# Altium PCB ctrl_boardV1.2.PcbDoc (part 2 of 3)
Units mm, origin at the board's own origin, x right, y up, seen from the top; angles counter-clockwise.
Board outline 212 x 85 mm, 2 copper layers (Top Layer, Bottom Layer); 255 components, 141 nets, 739 pads, 2246 vias.
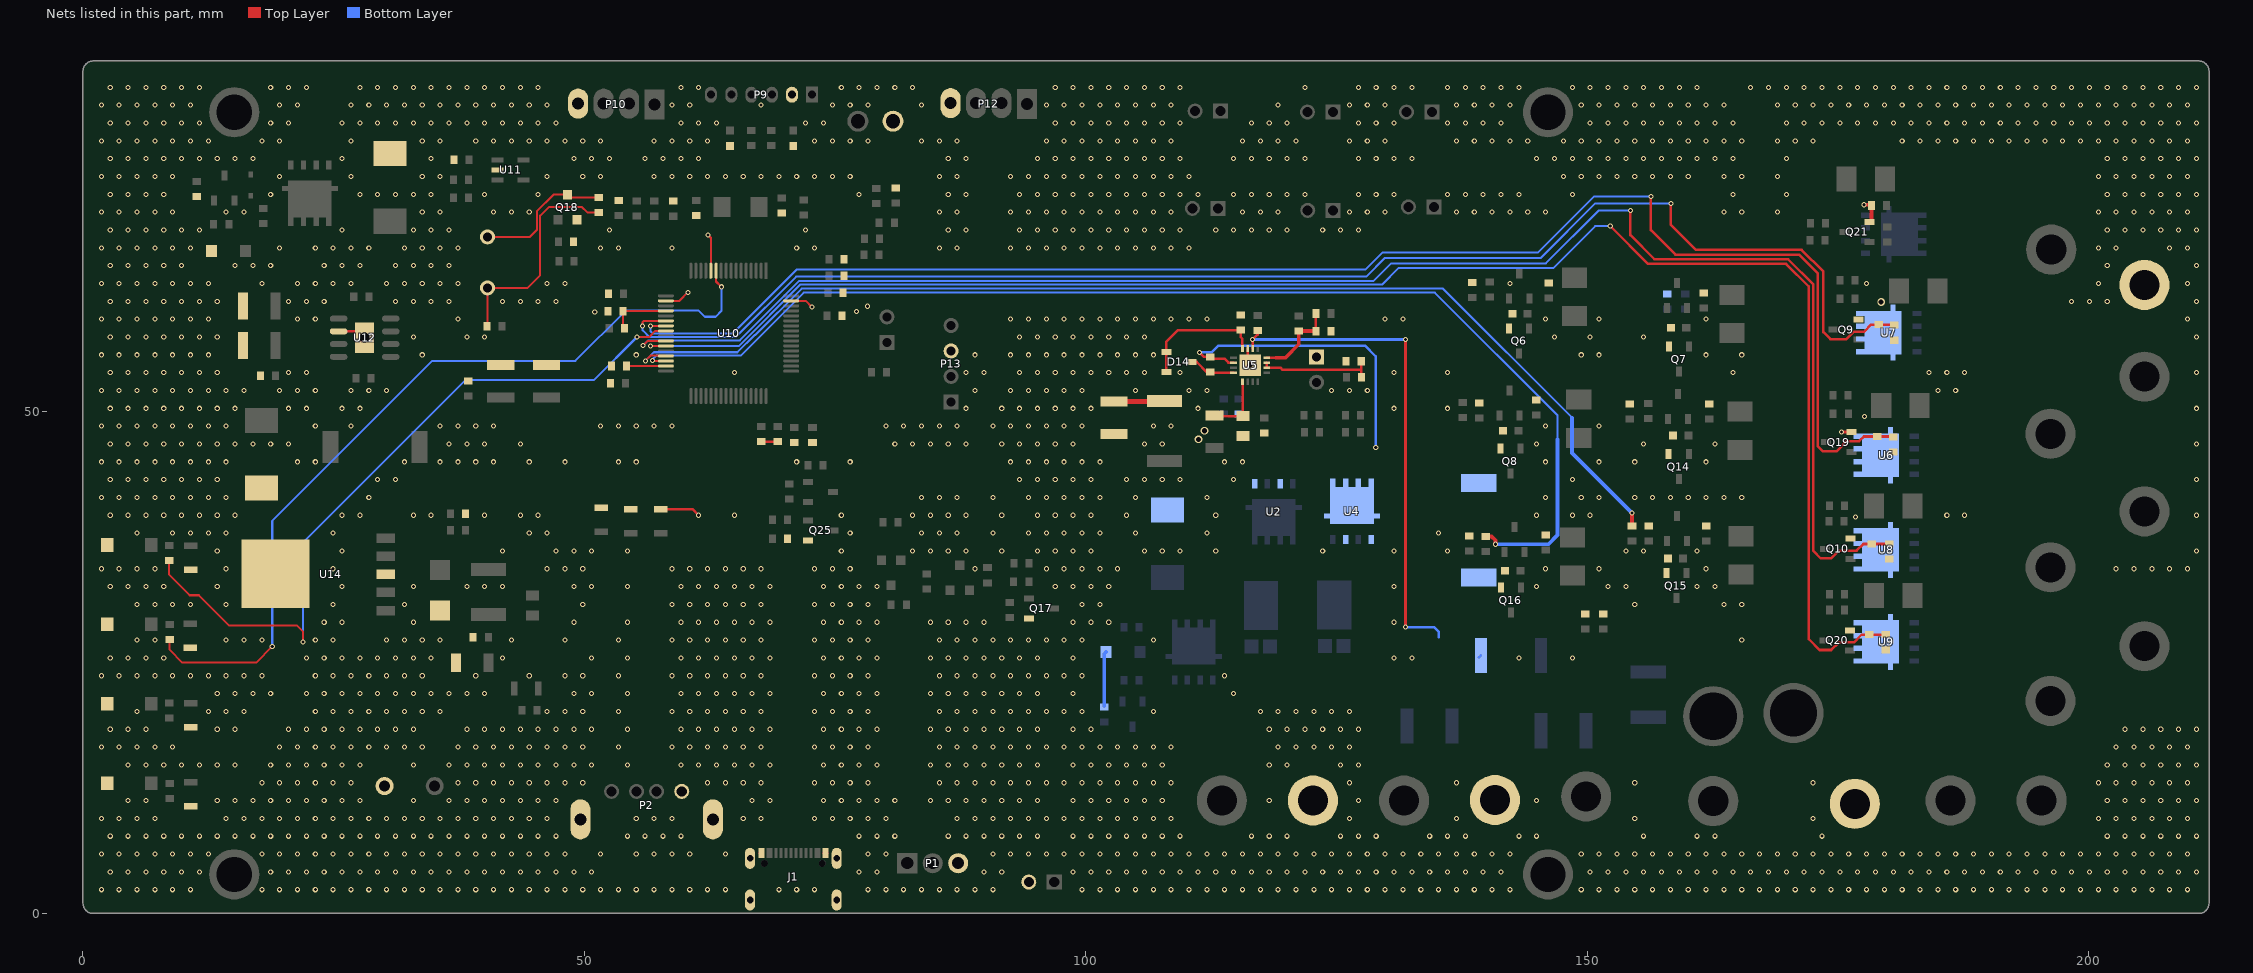
[diagram p2: the nets of this part, all layers, seen from the top]

## Via types
v1: diameter 0.508, hole 0.305, Top Layer to Bottom Layer, tented both sides, 2167 vias
v2: diameter 0.762, hole 0.508, Top Layer to Bottom Layer, tented both sides, 67 vias
v3: diameter 1.016, hole 0.635, Top Layer to Bottom Layer, tented both sides, 3 vias
v4: diameter 1.016, hole 0.762, Top Layer to Bottom Layer, tented both sides, 2 vias
v5: diameter 1.397, hole 1.016, Top Layer to Bottom Layer, tented both sides, 2 vias
v6: diameter 1.143, hole 0.762, Top Layer to Bottom Layer, tented both sides, 2 vias
v7: diameter 1.5, hole 1, Top Layer to Bottom Layer, 1 vias
v8: diameter 1.524, hole 1.016, Top Layer to Bottom Layer, tented both sides, 1 vias
v9: diameter 1.27, hole 0.762, Top Layer to Bottom Layer, tented both sides, 1 vias

## Nets (pads, with @x,y where several pads share a name; then routed paths per layer and width w, separated by ;. In a path a pad name is that pad's centre, name@x,y a point inside that pad or via, vN(x,y) a via of type N, cw(c..) or ccw(c..) an arc to the next point about the centre after c; other vN are vias at no path point) (continued)
cool3: R19.2 U10.29 | length 116.3
  Top Layer w0.203: v1(56.109,55.093) 56.109,55.14 56.595,55.626 58.081,55.626 U10.29@58.123,55.584
  Top Layer w0.381: R19.2@154.461,38.639 v1(154.461,39.933)
  Bottom Layer w0.203: v1(56.109,55.093) 56.109,55.14 56.925,55.956 65.253,55.956 66.974,57.678 67.023,57.678 71.652,62.306 135.618,62.306 148.492,49.432
  Bottom Layer w0.381: 148.492,49.432 148.492,45.902 v1(154.461,39.933)
cool4: R20.2 U10.30 | length 119.6
  Top Layer w0.203: v1(56.794,55.143) 56.854,55.084 U10.30@58.123,55.084
  Top Layer w0.381: R20.2@139.882,37.597 140.464,37.597 140.847,37.215 v1(140.847,36.808)
  Bottom Layer w0.203: v1(56.794,55.143) 56.794,55.226 56.89,55.322 56.89,55.347 57.169,55.626 65.584,55.626 71.858,61.9 134.798,61.9 147.044,49.653 147.044,47.242
  Bottom Layer w0.381: v1(140.847,36.808) 146.13,36.808 147.044,37.723 147.044,47.242
dec: R61.2 U10.24 | length 73
  Top Layer w0.203: R61.2@8.582,35.185 8.582,33.778 10.636,31.725 11.557,31.725 14.554,28.727 21.32,28.727 21.92,28.127 v1(21.92,27.051) ; v1(55.245,57.478) 56.47,57.478 57.076,58.084 U10.24@58.123,58.084
  Bottom Layer w0.203: v1(21.92,27.051) 21.92,36.957 38.171,53.207 50.974,53.207 v1(55.245,57.478)
GND: 12V-.1 C1.1 C2.1 C3.1 C4.2 C5.2 C6.1 C7.2 C8.1 C10.1 C13.1 C14.1 C15.1 C16.1 C17.1 C18.1 C19.1 C20.1 C21.1 C22.1 C23.1 C24.1 C26.1 C27.2 C28.2 C29.2 C30.2 C31.2 C32.1 C33.1 C34.2 D15.1 D16.1 D17.1 D18.1 D19.1 D20.1 D21.1 D22.1 D23.1 D24.1 D25.1 D26.1 D27.1 GND.1 J1.1 J1.A1 J1.A12 J1.B1 J1.B12 NTC.1 P1.3 P2.4 P2.5 P2.6 P4.2 P9.2 P10.4 P12.4 P13.3 P16.1 Q6.2 Q7.2 Q8.2 Q9.2 Q10.2 Q14.2 Q15.2 Q16.2 Q17.2 Q18.2 Q19.2 Q20.2 Q21.2 Q25.2 R8.1 R9.1 R10.1 R11.2 R12.2 R13.2 R16.2 R17.2 R21.1 R22.1 R23.1 R24.2 R25.2 R26.2 R33.2 R34.2 R38.2 R54.2 R59.2 R66.2 R72.2 R74.2 R76.2 R79.2 R83.2 R85.1 R89.2 R92.1 SW1.1 SW2.1 SW3.1 SW4.1 T8.1 T10.1 TVS1.1 TVS2.1 TVS3.1 TVS4.1 TVS5.1 TVS6.1 TVS7.1 TVS8.1 U4.1 U4.3 U5.11 U5.17 U6.5 U6.6 U6.7 U6.8 U7.5 U7.6 U7.7 U7.8 U8.5 U8.6 U8.7 U8.8 U9.5 U9.6 U9.7 U9.8 U10.12 U10.18 U10.63 U11.2 U12.6 U12.9 U14.3 U14.6 | length 27.5
  Top Layer w0.203: U10.18@58.123,61.084 59.484,61.084 v1(60.325,61.925) ; v1(62.332,67.64) 62.623,67.349 U10.12@62.623,64.084 ; U10.63@70.623,61.084 72.063,61.084 v1(72.695,60.452)
  Top Layer w0.254: U12.6@25.492,58.039 U12.9@27.457,58.039 ; D18.1@57.633,40.31 60.782,40.31 v1(61.392,39.7) ; J1.B12@67.491,6.02 J1.A1@67.791,6.02 ; C14.1@67.615,47.041 69.24,47.041 C19.1@69.266,47.066 ; J1.B1@73.891,6.02 J1.A12@74.191,6.02 ; U5.11@116.137,56.322 116.137,54.915 v2(116.387,54.665) ; v1(175.362,48.003) Q19.2@176.331,48.003
  Top Layer w0.381: v1(177.601,70.667) 178.26,70.667 R38.2@178.336,70.59 178.336,69.068 178.226,68.958 Q21.2@178.159,68.958
  Bottom Layer w0.381: R66.2@101.832,20.679 101.832,25.886 D17.1@102.01,26.064
  other v1: 1.829,2.362 3.607,2.362 5.385,2.362 7.163,2.362 8.941,2.362 10.719,2.362 17.831,2.362 19.609,2.362 21.387,2.362 23.165,2.362 24.943,2.362 26.721,2.362 28.499,2.362 30.277,2.362 32.055,2.362 33.833,2.362 35.611,2.362 37.389,2.362 39.167,2.362 40.945,2.362 42.723,2.362 44.501,2.362 46.279,2.362 48.057,2.362 49.835,2.362 51.613,2.362 53.391,2.362 55.169,2.362 56.947,2.362 58.725,2.362 60.503,2.362 62.281,2.362 64.059,2.362 69.393,2.362 71.171,2.362 72.949,2.362 78.283,2.362 80.061,2.362 81.839,2.362 83.617,2.362 85.395,2.362 87.173,2.362 88.951,2.362 90.729,2.362 99.619,2.362 101.397,2.362 103.175,2.362 104.953,2.362 106.731,2.362 108.509,2.362 110.287,2.362 112.065,2.362 113.843,2.362 115.621,2.362 117.399,2.362 119.177,2.362 120.955,2.362 122.733,2.362 124.511,2.362 126.289,2.362 128.067,2.362 129.845,2.362 131.623,2.362 133.401,2.362 135.179,2.362 136.957,2.362 138.735,2.362 140.513,2.362 142.291,2.362 149.403,2.362 151.181,2.362 152.959,2.362 154.737,2.362 156.515,2.362 158.293,2.362 160.071,2.362 161.849,2.362 163.627,2.362 165.405,2.362 167.183,2.362 168.961,2.362 170.739,2.362 172.517,2.362 174.295,2.362 176.073,2.362 177.851,2.362 179.629,2.362 181.407,2.362 183.185,2.362 184.963,2.362 186.741,2.362 188.519,2.362 190.297,2.362 192.075,2.362 193.853,2.362 195.631,2.362 197.409,2.362 199.187,2.362 200.965,2.362 202.743,2.362 204.521,2.362 206.299,2.362 208.077,2.362 209.855,2.362 2.718,4.14 4.496,4.14 6.274,4.14 8.052,4.14 9.83,4.14 11.608,4.14 18.72,4.14 20.498,4.14 22.276,4.14 24.054,4.14 25.832,4.14 27.61,4.14 29.388,4.14 31.166,4.14 32.944,4.14 34.722,4.14 36.5,4.14 38.278,4.14 40.056,4.14 41.834,4.14 43.612,4.14 45.39,4.14 47.168,4.14 48.946,4.14 50.724,4.14 77.394,4.14 79.172,4.14 89.84,4.14 91.618,4.14 98.73,4.14 100.508,4.14 102.286,4.14 104.064,4.14 105.842,4.14 107.62,4.14 109.398,4.14 111.176,4.14 112.954,4.14 114.732,4.14 116.51,4.14 118.288,4.14 120.066,4.14 121.844,4.14 123.622,4.14 125.4,4.14 127.178,4.14 128.956,4.14 130.734,4.14 132.512,4.14 134.29,4.14 136.068,4.14 137.846,4.14 139.624,4.14 141.402,4.14 150.292,4.14 152.07,4.14 153.848,4.14 155.626,4.14 157.404,4.14 159.182,4.14 160.96,4.14 162.738,4.14 164.516,4.14 166.294,4.14 168.072,4.14 169.85,4.14 171.628,4.14 173.406,4.14 175.184,4.14 176.962,4.14 178.74,4.14 180.518,4.14 182.296,4.14 184.074,4.14 185.852,4.14 187.63,4.14 189.408,4.14 191.186,4.14 192.964,4.14 194.742,4.14 196.52,4.14 198.298,4.14 200.076,4.14 201.854,4.14 203.632,4.14 205.41,4.14 207.188,4.14 208.966,4.14 210.744,4.14 1.829,5.918 3.607,5.918 5.385,5.918 7.163,5.918 8.941,5.918 10.719,5.918 12.497,5.918 17.831,5.918 19.609,5.918 21.387,5.918 23.165,5.918 24.943,5.918 26.721,5.918 28.499,5.918 30.277,5.918 32.055,5.918 33.833,5.918 35.611,5.918 37.389,5.918 39.167,5.918 40.945,5.918 42.723,5.918 44.501,5.918 46.279,5.918 48.057,5.918 51.613,5.918 55.169,5.918 56.947,5.918 58.725,5.918 60.503,5.918 64.059,5.918 78.283,5.918 80.061,5.918 90.729,5.918 92.507,5.918 94.285,5.918 96.063,5.918 97.841,5.918 99.619,5.918 101.397,5.918 103.175,5.918 104.953,5.918 106.731,5.918 108.509,5.918 110.287,5.918 112.065,5.918 113.843,5.918 115.621,5.918 117.399,5.918 119.177,5.918 120.955,5.918 122.733,5.918 124.511,5.918 126.289,5.918 128.067,5.918 129.845,5.918 131.623,5.918 133.401,5.918 135.179,5.918 136.957,5.918 138.735,5.918 140.513,5.918 142.291,5.918 149.403,5.918 151.181,5.918 152.959,5.918 154.737,5.918 156.515,5.918 158.293,5.918 160.071,5.918 161.849,5.918 163.627,5.918 165.405,5.918 167.183,5.918 168.961,5.918 170.739,5.918 172.517,5.918 174.295,5.918 176.073,5.918 177.851,5.918 179.629,5.918 181.407,5.918 183.185,5.918 184.963,5.918 186.741,5.918 188.519,5.918 190.297,5.918 192.075,5.918 193.853,5.918 195.631,5.918 197.409,5.918 199.187,5.918 200.965,5.918 202.743,5.918 204.521,5.918 206.299,5.918 208.077,5.918 209.855,5.918 2.718,7.696 4.496,7.696 6.274,7.696 8.052,7.696 9.83,7.696 11.608,7.696 13.386,7.696 15.164,7.696 16.942,7.696 18.72,7.696 20.498,7.696 22.276,7.696 24.054,7.696 25.832,7.696 27.61,7.696 29.388,7.696 31.166,7.696 32.944,7.696 34.722,7.696 36.5,7.696 38.278,7.696 40.056,7.696 41.834,7.696 43.612,7.696 45.39,7.696 47.168,7.696 54.28,7.696 56.058,7.696 57.836,7.696 59.614,7.696 77.394,7.696 79.172,7.696 80.95,7.696 86.284,7.696 88.062,7.696 89.84,7.696 91.618,7.696 93.396,7.696 95.174,7.696 98.73,7.696 100.508,7.696 102.286,7.696 104.064,7.696 105.842,7.696 107.62,7.696 109.398,7.696 116.51,7.696 118.288,7.696 120.066,7.696 125.4,7.696 127.178,7.696 128.956,7.696 134.29,7.696 136.068,7.696 137.846,7.696 143.18,7.696 144.958,7.696 155.626,7.696 160.96,7.696 162.738,7.696 173.406,7.696 201.854,7.696 203.632,7.696 205.41,7.696 207.188,7.696 208.966,7.696 210.744,7.696 1.829,9.474 3.607,9.474 5.385,9.474 7.163,9.474 14.275,9.474 16.053,9.474 17.831,9.474 19.609,9.474 21.387,9.474 23.165,9.474 24.943,9.474 26.721,9.474 28.499,9.474 30.277,9.474 32.055,9.474 33.833,9.474 35.611,9.474 37.389,9.474 39.167,9.474 40.945,9.474 42.723,9.474 44.501,9.474 46.279,9.474 55.169,9.474 56.947,9.474 58.725,9.474 65.837,9.474 67.615,9.474 72.949,9.474 74.727,9.474 76.505,9.474 78.283,9.474 80.061,9.474 87.173,9.474 88.951,9.474 90.729,9.474 92.507,9.474 94.285,9.474 96.063,9.474 97.841,9.474 99.619,9.474 101.397,9.474 103.175,9.474 104.953,9.474 106.731,9.474 108.509,9.474 126.289,9.474 136.957,9.474 154.737,9.474 172.517,9.474 200.965,9.474 202.743,9.474 204.521,9.474 206.299,9.474 208.077,9.474 209.855,9.474 4.496,11.252 6.274,11.252 13.386,11.252 15.164,11.252 16.942,11.252 18.72,11.252 20.498,11.252 22.276,11.252 24.054,11.252 25.832,11.252 27.61,11.252 32.944,11.252 36.5,11.252 38.278,11.252 40.056,11.252 41.834,11.252 43.612,11.252 45.39,11.252 47.168,11.252 66.726,11.252 68.504,11.252 73.838,11.252 75.616,11.252 77.394,11.252 79.172,11.252 80.95,11.252 84.506,11.252 86.284,11.252 88.062,11.252 89.84,11.252 91.618,11.252 93.396,11.252 95.174,11.252 98.73,11.252 100.508,11.252 102.286,11.252 104.064,11.252 105.842,11.252 107.62,11.252 118.288,11.252 127.178,11.252 144.958,11.252 201.854,11.252 203.632,11.252 205.41,11.252 207.188,11.252 208.966,11.252 210.744,11.252 17.831,13.03 19.609,13.03 21.387,13.03 23.165,13.03 24.943,13.03 26.721,13.03 37.389,13.03 39.167,13.03 40.945,13.03 42.723,13.03 44.501,13.03 46.279,13.03 48.057,13.03 49.835,13.03 62.281,13.03 64.059,13.03 65.837,13.03 67.615,13.03 72.949,13.03 74.727,13.03 76.505,13.03 78.283,13.03 85.395,13.03 87.173,13.03 88.951,13.03 90.729,13.03 92.507,13.03 94.285,13.03 96.063,13.03 97.841,13.03 99.619,13.03 101.397,13.03 103.175,13.03 104.953,13.03 106.731,13.03 108.509,13.03 126.289,13.03 136.957,13.03 154.737,13.03 172.517,13.03 200.965,13.03 202.743,13.03 204.521,13.03 206.299,13.03 208.077,13.03 209.855,13.03 4.496,14.808 6.274,14.808 8.052,14.808 9.83,14.808 11.608,14.808 13.386,14.808 15.164,14.808 18.72,14.808 20.498,14.808 22.276,14.808 24.054,14.808 25.832,14.808 27.61,14.808 32.944,14.808 36.5,14.808 38.278,14.808 40.056,14.808 41.834,14.808 43.612,14.808 45.39,14.808 47.168,14.808 48.946,14.808 50.724,14.808 54.28,14.808 59.614,14.808 61.392,14.808 63.17,14.808 64.948,14.808 66.726,14.808 68.504,14.808 73.838,14.808 75.616,14.808 77.394,14.808 79.172,14.808 84.506,14.808 86.284,14.808 88.062,14.808 89.84,14.808 91.618,14.808 93.396,14.808 95.174,14.808 98.73,14.808 100.508,14.808 102.286,14.808 104.064,14.808 105.842,14.808 107.62,14.808 118.288,14.808 120.066,14.808 125.4,14.808 127.178,14.808 201.854,14.808 203.632,14.808 205.41,14.808 207.188,14.808 208.966,14.808 210.744,14.808 1.829,16.586 3.607,16.586 5.385,16.586 7.163,16.586 8.941,16.586 19.609,16.586 21.387,16.586 23.165,16.586 24.943,16.586 26.721,16.586 28.499,16.586 30.277,16.586 32.055,16.586 33.833,16.586 37.389,16.586 39.167,16.586 40.945,16.586 42.723,16.586 44.501,16.586 46.279,16.586 48.057,16.586 49.835,16.586 53.391,16.586 58.725,16.586 60.503,16.586 62.281,16.586 64.059,16.586 65.837,16.586 67.615,16.586 72.949,16.586 74.727,16.586 76.505,16.586 78.283,16.586 85.395,16.586 87.173,16.586 88.951,16.586 90.729,16.586 92.507,16.586 94.285,16.586 96.063,16.586 97.841,16.586 99.619,16.586 101.397,16.586 103.175,16.586 104.953,16.586 106.731,16.586 108.509,16.586 119.177,16.586 120.955,16.586 122.733,16.586 124.511,16.586 126.289,16.586 202.743,16.586 204.521,16.586 206.299,16.586 208.077,16.586 209.855,16.586 2.718,18.364 4.496,18.364 6.274,18.364 13.386,18.364 15.164,18.364 20.498,18.364 22.276,18.364 24.054,18.364 25.832,18.364 27.61,18.364 29.388,18.364 31.166,18.364 32.944,18.364 38.278,18.364 40.056,18.364 41.834,18.364 43.612,18.364 45.39,18.364 47.168,18.364 48.946,18.364 50.724,18.364 54.28,18.364 59.614,18.364 61.392,18.364 63.17,18.364 64.948,18.364 66.726,18.364 68.504,18.364 73.838,18.364 75.616,18.364 77.394,18.364 79.172,18.364 84.506,18.364 86.284,18.364 88.062,18.364 89.84,18.364 91.618,18.364 93.396,18.364 95.174,18.364 98.73,18.364 100.508,18.364 118.288,18.364 120.066,18.364 121.844,18.364 123.622,18.364 125.4,18.364 127.178,18.364 203.632,18.364 205.41,18.364 207.188,18.364 208.966,18.364 210.744,18.364 5.385,20.142 12.497,20.142 14.275,20.142 16.053,20.142 23.165,20.142 24.943,20.142 26.721,20.142 28.499,20.142 30.277,20.142 32.055,20.142 33.833,20.142 35.611,20.142 46.279,20.142 48.057,20.142 49.835,20.142 53.391,20.142 58.725,20.142 60.503,20.142 62.281,20.142 64.059,20.142 65.837,20.142 67.615,20.142 72.949,20.142 74.727,20.142 76.505,20.142 78.283,20.142 85.395,20.142 87.173,20.142 88.951,20.142 90.729,20.142 92.507,20.142 94.285,20.142 96.063,20.142 97.841,20.142 99.619,20.142 106.731,20.142 117.399,20.142 119.177,20.142 120.955,20.142 122.733,20.142 124.511,20.142 126.289,20.142 13.386,21.92 15.164,21.92 16.942,21.92 18.72,21.92 22.276,21.92 24.054,21.92 25.832,21.92 27.61,21.92 29.388,21.92 31.166,21.92 32.944,21.92 34.722,21.92 36.5,21.92 38.278,21.92 40.056,21.92 48.946,21.92 50.724,21.92 54.28,21.92 59.614,21.92 61.392,21.92 63.17,21.92 64.948,21.92 66.726,21.92 68.504,21.92 73.838,21.92 75.616,21.92 77.394,21.92 79.172,21.92 84.506,21.92 86.284,21.92 88.062,21.92 89.84,21.92 91.618,21.92 93.396,21.92 95.174,21.92 98.73,21.92 114.732,21.92 1.829,23.698 3.607,23.698 5.385,23.698 7.163,23.698 8.941,23.698 10.719,23.698 12.497,23.698 14.275,23.698 16.053,23.698 17.831,23.698 23.165,23.698 24.943,23.698 26.721,23.698 28.499,23.698 30.277,23.698 32.055,23.698 33.833,23.698 39.167,23.698 44.501,23.698 48.057,23.698 49.835,23.698 53.391,23.698 58.725,23.698 60.503,23.698 62.281,23.698 64.059,23.698 65.837,23.698 67.615,23.698 72.949,23.698 74.727,23.698 76.505,23.698 78.283,23.698 85.395,23.698 87.173,23.698 88.951,23.698 90.729,23.698 92.507,23.698 94.285,23.698 96.063,23.698 97.841,23.698 99.619,23.698 113.843,23.698 2.718,25.476 4.496,25.476 6.274,25.476 8.052,25.476 22.276,25.476 24.054,25.476 25.832,25.476 27.61,25.476 29.388,25.476 31.166,25.476 32.944,25.476 34.722,25.476 41.834,25.476 50.724,25.476 54.28,25.476 59.614,25.476 61.392,25.476 63.17,25.476 64.948,25.476 66.726,25.476 68.504,25.476 73.838,25.476 75.616,25.476 77.394,25.476 79.172,25.476 84.506,25.476 86.284,25.476 88.062,25.476 89.84,25.476 91.618,25.476 93.396,25.476 95.174,25.476 98.73,25.476 130.734,25.476 132.512,25.476 143.18,25.476 148.514,25.476 5.385,27.254 7.163,27.254 14.275,27.254 16.053,27.254 17.831,27.254 23.165,27.254 24.943,27.254 30.277,27.254 32.055,27.254 33.833,27.254 35.611,27.254 42.723,27.254 48.057,27.254 53.391,27.254 58.725,27.254 60.503,27.254 62.281,27.254 64.059,27.254 65.837,27.254 67.615,27.254 72.949,27.254 74.727,27.254 76.505,27.254 78.283,27.254 85.395,27.254 87.173,27.254 88.951,27.254 90.729,27.254 92.507,27.254 94.285,27.254 96.063,27.254 97.841,27.254 99.619,27.254 106.731,27.254 165.405,27.254 24.054,29.032 25.832,29.032 32.944,29.032 48.946,29.032 54.28,29.032 59.614,29.032 61.392,29.032 63.17,29.032 64.948,29.032 66.726,29.032 68.504,29.032 73.838,29.032 75.616,29.032 77.394,29.032 79.172,29.032 84.506,29.032 86.284,29.032 88.062,29.032 89.84,29.032 98.73,29.032 100.508,29.032 102.286,29.032 130.734,29.032 5.385,30.81 7.163,30.81 8.941,30.81 10.719,30.81 14.275,30.81 24.943,30.81 32.055,30.81 49.835,30.81 58.725,30.81 60.503,30.81 62.281,30.81 64.059,30.81 65.837,30.81 67.615,30.81 72.949,30.81 74.727,30.81 76.505,30.81 78.283,30.81 99.619,30.81 101.397,30.81 154.737,30.81 163.627,30.81 165.405,30.81 2.718,32.588 4.496,32.588 6.274,32.588 8.052,32.588 13.386,32.588 25.832,32.588 32.944,32.588 38.278,32.588 40.056,32.588 41.834,32.588 48.946,32.588 50.724,32.588 54.28,32.588 59.614,32.588 61.392,32.588 63.17,32.588 64.948,32.588 66.726,32.588 68.504,32.588 73.838,32.588 75.616,32.588 77.394,32.588 79.172,32.588 96.952,32.588 98.73,32.588 100.508,32.588 102.286,32.588 130.734,32.588 144.958,32.588 152.07,32.588 153.848,32.588 160.96,32.588 162.738,32.588 1.829,34.366 3.607,34.366 5.385,34.366 7.163,34.366 14.275,34.366 24.943,34.366 46.279,34.366 48.057,34.366 49.835,34.366 58.725,34.366 60.503,34.366 62.281,34.366 64.059,34.366 65.837,34.366 67.615,34.366 72.949,34.366 74.727,34.366 76.505,34.366 88.951,34.366 96.063,34.366 97.841,34.366 99.619,34.366 101.397,34.366 103.175,34.366 145.847,34.366 151.181,34.366 161.849,34.366 202.743,34.366 204.521,34.366 206.299,34.366 208.077,34.366 209.855,34.366 13.386,36.144 25.832,36.144 41.834,36.144 47.168,36.144 48.946,36.144 50.724,36.144 54.28,36.144 75.616,36.144 82.728,36.144 84.506,36.144 86.284,36.144 88.062,36.144 91.618,36.144 95.174,36.144 96.952,36.144 98.73,36.144 100.508,36.144 105.842,36.144 107.62,36.144 109.398,36.144 112.954,36.144 123.622,36.144 130.734,36.144 136.068,36.144 153.848,36.144 155.626,36.144 160.96,36.144 210.744,36.144 5.385,37.922 8.941,37.922 10.719,37.922 12.497,37.922 14.275,37.922 24.943,37.922 44.501,37.922 46.279,37.922 76.505,37.922 83.617,37.922 85.395,37.922 87.173,37.922 90.729,37.922 94.285,37.922 96.063,37.922 97.841,37.922 99.619,37.922 101.397,37.922 104.953,37.922 112.065,37.922 135.179,37.922 176.729,39.545 2.718,39.7 4.496,39.7 6.274,39.7 8.052,39.7 9.83,39.7 11.608,39.7 13.386,39.7 15.164,39.7 25.832,39.7 27.61,39.7 32.944,39.7 34.722,39.7 40.056,39.7 43.612,39.7 45.39,39.7 64.948,39.7 75.616,39.7 82.728,39.7 84.506,39.7 86.284,39.7 88.062,39.7 91.618,39.7 95.174,39.7 96.952,39.7 98.73,39.7 100.508,39.7 104.064,39.7 112.954,39.7 144.958,39.7 148.514,39.7 150.292,39.7 185.852,39.7 187.63,39.7 210.744,39.7 1.829,41.478 3.607,41.478 5.385,41.478 7.163,41.478 8.941,41.478 10.719,41.478 12.497,41.478 14.275,41.478 28.499,41.478 83.617,41.478 85.395,41.478 87.173,41.478 90.729,41.478 94.285,41.478 96.063,41.478 97.841,41.478 99.619,41.478 101.397,41.478 104.953,41.478 112.065,41.478 145.847,41.478 149.403,41.478 151.181,41.478 154.737,41.478 156.515,41.478 158.293,41.478 160.071,41.478 161.849,41.478 163.627,41.478 165.405,41.478 2.718,43.256 4.496,43.256 6.274,43.256 8.052,43.256 9.83,43.256 11.608,43.256 13.386,43.256 29.388,43.256 31.166,43.256 93.396,43.256 95.174,43.256 96.952,43.256 98.73,43.256 100.508,43.256 104.064,43.256 105.842,43.256 107.62,43.256 109.398,43.256 114.732,43.256 148.514,43.256 210.744,43.256 1.829,45.034 3.607,45.034 5.385,45.034 7.163,45.034 8.941,45.034 10.719,45.034 12.497,45.034 14.275,45.034 21.387,45.034 23.165,45.034 32.055,45.034 35.611,45.034 37.389,45.034 39.167,45.034 40.945,45.034 44.501,45.034 48.057,45.034 53.391,45.034 55.169,45.034 71.171,45.034 76.505,45.034 92.507,45.034 94.285,45.034 96.063,45.034 97.841,45.034 99.619,45.034 101.397,45.034 113.843,45.034 115.621,45.034 145.847,45.034 151.181,45.034 154.737,45.034 161.849,45.034 2.718,46.812 4.496,46.812 6.274,46.812 8.052,46.812 9.83,46.812 11.608,46.812 13.386,46.812 15.164,46.812 16.942,46.812 18.72,46.812 20.498,46.812 36.5,46.812 38.278,46.812 40.056,46.812 43.612,46.812 80.95,46.812 82.728,46.812 84.506,46.812 86.284,46.812 88.062,46.812 91.618,46.812 93.396,46.812 95.174,46.812 96.952,46.812 98.73,46.812 105.842,46.812 107.62,46.812 144.958,46.812 155.626,46.812 162.738,46.812 210.744,46.812 1.829,48.59 3.607,48.59 5.385,48.59 7.163,48.59 8.941,48.59 10.719,48.59 12.497,48.59 14.275,48.59 23.165,48.59 26.721,48.59 35.611,48.59 37.389,48.59 39.167,48.59 40.945,48.59 51.613,48.59 53.391,48.59 55.169,48.59 56.947,48.59 58.725,48.59 80.061,48.59 81.839,48.59 83.617,48.59 85.395,48.59 87.173,48.59 90.729,48.59 92.507,48.59 94.285,48.59 96.063,48.59 97.841,48.59 99.619,48.59 106.731,48.59 108.509,48.59 145.847,48.59 151.181,48.59 177.626,49.534 2.718,50.368 4.496,50.368 6.274,50.368 8.052,50.368 9.83,50.368 11.608,50.368 13.386,50.368 15.164,50.368 20.498,50.368 22.276,50.368 25.832,50.368 27.61,50.368 88.062,50.368 91.618,50.368 93.396,50.368 95.174,50.368 96.952,50.368 98.73,50.368 100.508,50.368 111.176,50.368 130.734,50.368 136.068,50.368 210.744,50.368 1.829,52.146 3.607,52.146 5.385,52.146 7.163,52.146 8.941,52.146 10.719,52.146 12.497,52.146 14.275,52.146 16.053,52.146 19.609,52.146 21.387,52.146 23.165,52.146 26.721,52.146 28.499,52.146 30.277,52.146 88.951,52.146 92.507,52.146 94.285,52.146 96.063,52.146 97.841,52.146 99.619,52.146 104.953,52.146 110.287,52.146 112.065,52.146 124.511,52.146 126.289,52.146 128.067,52.146 184.963,52.146 186.741,52.146 2.718,53.924 4.496,53.924 6.274,53.924 8.052,53.924 9.83,53.924 11.608,53.924 13.386,53.924 20.498,53.924 22.276,53.924 64.948,53.924 88.062,53.924 89.84,53.924 93.396,53.924 95.174,53.924 96.952,53.924 98.73,53.924 100.508,53.924 102.286,53.924 104.064,53.924 105.842,53.924 109.398,53.924 130.734,53.924 136.068,53.924 164.516,53.924 184.074,53.924 185.852,53.924 187.63,53.924 210.744,53.924 1.829,55.702 3.607,55.702 5.385,55.702 7.163,55.702 8.941,55.702 10.719,55.702 12.497,55.702 33.833,55.702 55.169,55.702 88.951,55.702 92.507,55.702 94.285,55.702 96.063,55.702 97.841,55.702 99.619,55.702 101.397,55.702 103.175,55.702 104.953,55.702 106.731,55.702 149.403,55.702 151.181,55.702 161.849,55.702 165.405,55.702 2.718,57.48 4.496,57.48 6.274,57.48 8.052,57.48 9.83,57.48 11.608,57.48 13.386,57.48 32.944,57.48 38.278,57.48 40.056,57.48 93.396,57.48 95.174,57.48 96.952,57.48 98.73,57.48 100.508,57.48 102.286,57.48 104.064,57.48 105.842,57.48 146.736,57.48 150.292,57.48 155.626,57.48 210.744,57.48 1.829,59.258 3.607,59.258 5.385,59.258 7.163,59.258 8.941,59.258 10.719,59.258 12.497,59.258 21.387,59.258 23.165,59.258 37.389,59.258 92.507,59.258 94.285,59.258 96.063,59.258 97.841,59.258 99.619,59.258 101.397,59.258 103.175,59.258 104.953,59.258 106.731,59.258 108.509,59.258 110.287,59.258 112.065,59.258 129.845,59.258 131.623,59.258 145.847,59.258 151.181,59.258 161.849,59.258 209.855,59.258 51.029,59.969 77.144,60.013 78.225,60.541 2.718,61.036 4.496,61.036 6.274,61.036 8.052,61.036 9.83,61.036 11.608,61.036 13.386,61.036 20.498,61.036 22.276,61.036 24.054,61.036 31.166,61.036 32.944,61.036 34.722,61.036 36.5,61.036 41.834,61.036 43.612,61.036 45.39,61.036 47.168,61.036 198.298,61.036 200.076,61.036 201.854,61.036 210.744,61.036 1.829,62.814 3.607,62.814 5.385,62.814 7.163,62.814 8.941,62.814 10.719,62.814 12.497,62.814 17.831,62.814 21.387,62.814 23.165,62.814 24.943,62.814 26.721,62.814 30.277,62.814 32.055,62.814 33.833,62.814 35.611,62.814 37.389,62.814 46.279,62.814 48.057,62.814 142.291,62.814 177.851,62.814 200.965,62.814 209.855,62.814 2.718,64.592 4.496,64.592 6.274,64.592 8.052,64.592 9.83,64.592 15.164,64.592 16.942,64.592 18.72,64.592 24.054,64.592 25.832,64.592 27.61,64.592 31.166,64.592 32.944,64.592 34.722,64.592 36.5,64.592 201.854,64.592 210.744,64.592 1.829,66.37 3.607,66.37 5.385,66.37 7.163,66.37 8.941,66.37 10.719,66.37 19.609,66.37 23.165,66.37 24.943,66.37 26.721,66.37 28.499,66.37 32.055,66.37 33.833,66.37 35.611,66.37 37.389,66.37 51.613,66.37 53.391,66.37 58.725,66.37 71.171,66.37 72.949,66.37 85.395,66.37 87.173,66.37 92.507,66.37 94.285,66.37 96.063,66.37 97.841,66.37 99.619,66.37 101.397,66.37 103.175,66.37 104.953,66.37 106.731,66.37 108.509,66.37 110.287,66.37 200.965,66.37 202.743,66.37 208.077,66.37 209.855,66.37 2.718,68.148 4.496,68.148 6.274,68.148 8.052,68.148 9.83,68.148 11.608,68.148 25.832,68.148 32.944,68.148 34.722,68.148 36.5,68.148 52.502,68.148 72.06,68.148 86.284,68.148 88.062,68.148 93.396,68.148 95.174,68.148 96.952,68.148 98.73,68.148 100.508,68.148 102.286,68.148 104.064,68.148 105.842,68.148 107.62,68.148 109.398,68.148 112.954,68.148 114.732,68.148 116.51,68.148 118.288,68.148 120.066,68.148 123.622,68.148 125.4,68.148 127.178,68.148 201.854,68.148 203.632,68.148 205.41,68.148 207.188,68.148 208.966,68.148 210.744,68.148 1.829,69.926 3.607,69.926 5.385,69.926 7.163,69.926 8.941,69.926 14.275,69.926 16.053,69.926 33.833,69.926 35.611,69.926 40.945,69.926 42.723,69.926 44.501,69.926 85.395,69.926 87.173,69.926 92.507,69.926 94.285,69.926 96.063,69.926 97.841,69.926 99.619,69.926 101.397,69.926 103.175,69.926 104.953,69.926 106.731,69.926 108.509,69.926 115.621,69.926 117.399,69.926 119.177,69.926 126.289,69.926 128.067,69.926 129.845,69.926 136.957,69.926 138.735,69.926 140.513,69.926 142.291,69.926 144.069,69.926 145.847,69.926 163.627,69.926 165.405,69.926 168.961,69.926 200.965,69.926 202.743,69.926 204.521,69.926 206.299,69.926 208.077,69.926 209.855,69.926 2.718,71.704 4.496,71.704 6.274,71.704 8.052,71.704 18.72,71.704 27.61,71.704 29.388,71.704 31.166,71.704 32.944,71.704 34.722,71.704 40.056,71.704 45.39,71.704 77.394,71.704 86.284,71.704 88.062,71.704 93.396,71.704 95.174,71.704 96.952,71.704 98.73,71.704 100.508,71.704 102.286,71.704 104.064,71.704 105.842,71.704 107.62,71.704 109.398,71.704 111.176,71.704 114.732,71.704 116.51,71.704 118.288,71.704 120.066,71.704 121.844,71.704 127.178,71.704 128.956,71.704 130.734,71.704 136.068,71.704 137.846,71.704 139.624,71.704 141.402,71.704 143.18,71.704 148.514,71.704 164.516,71.704 169.85,71.704 201.854,71.704 203.632,71.704 205.41,71.704 207.188,71.704 208.966,71.704 210.744,71.704 1.829,73.482 3.607,73.482 5.385,73.482 7.163,73.482 8.941,73.482 19.609,73.482 26.721,73.482 33.833,73.482 35.611,73.482 46.279,73.482 49.835,73.482 51.613,73.482 56.947,73.482 58.725,73.482 60.503,73.482 62.281,73.482 64.059,73.482 65.837,73.482 67.615,73.482 69.393,73.482 71.171,73.482 72.949,73.482 74.727,73.482 76.505,73.482 85.395,73.482 87.173,73.482 92.507,73.482 94.285,73.482 96.063,73.482 97.841,73.482 99.619,73.482 101.397,73.482 103.175,73.482 104.953,73.482 106.731,73.482 108.509,73.482 110.287,73.482 147.625,73.482 149.403,73.482 151.181,73.482 152.959,73.482 154.737,73.482 156.515,73.482 158.293,73.482 160.071,73.482 163.627,73.482 165.405,73.482 168.961,73.482 200.965,73.482 202.743,73.482 204.521,73.482 206.299,73.482 208.077,73.482 209.855,73.482 2.718,75.26 4.496,75.26 6.274,75.26 8.052,75.26 9.83,75.26 11.608,75.26 13.386,75.26 15.164,75.26 16.942,75.26 25.832,75.26 34.722,75.26 48.946,75.26 50.724,75.26 52.502,75.26 56.058,75.26 57.836,75.26 59.614,75.26 61.392,75.26 86.284,75.26 88.062,75.26 95.174,75.26 96.952,75.26 98.73,75.26 100.508,75.26 102.286,75.26 104.064,75.26 105.842,75.26 107.62,75.26 109.398,75.26 114.732,75.26 116.51,75.26 118.288,75.26 120.066,75.26 121.844,75.26 127.178,75.26 128.956,75.26 130.734,75.26 132.512,75.26 144.958,75.26 146.736,75.26 148.514,75.26 150.292,75.26 152.07,75.26 153.848,75.26 155.626,75.26 157.404,75.26 159.182,75.26 160.96,75.26 162.738,75.26 164.516,75.26 169.85,75.26 201.854,75.26 203.632,75.26 205.41,75.26 207.188,75.26 208.966,75.26 210.744,75.26 1.829,77.038 3.607,77.038 5.385,77.038 7.163,77.038 8.941,77.038 10.719,77.038 12.497,77.038 17.831,77.038 19.609,77.038 26.721,77.038 33.833,77.038 35.611,77.038 39.167,77.038 40.945,77.038 42.723,77.038 44.501,77.038 46.279,77.038 48.057,77.038 49.835,77.038 51.613,77.038 56.947,77.038 58.725,77.038 60.503,77.038 62.281,77.038 72.949,77.038 74.727,77.038 76.505,77.038 78.283,77.038 83.617,77.038 85.395,77.038 87.173,77.038 96.063,77.038 97.841,77.038 99.619,77.038 101.397,77.038 103.175,77.038 104.953,77.038 106.731,77.038 108.509,77.038 115.621,77.038 117.399,77.038 119.177,77.038 120.955,77.038 126.289,77.038 128.067,77.038 129.845,77.038 136.957,77.038 138.735,77.038 140.513,77.038 142.291,77.038 144.069,77.038 147.625,77.038 149.403,77.038 151.181,77.038 152.959,77.038 154.737,77.038 156.515,77.038 158.293,77.038 160.071,77.038 161.849,77.038 163.627,77.038 165.405,77.038 168.961,77.038 170.739,77.038 172.517,77.038 181.407,77.038 183.185,77.038 184.963,77.038 186.741,77.038 188.519,77.038 190.297,77.038 192.075,77.038 193.853,77.038 195.631,77.038 197.409,77.038 199.187,77.038 200.965,77.038 202.743,77.038 204.521,77.038 206.299,77.038 208.077,77.038 209.855,77.038 2.718,78.816 4.496,78.816 6.274,78.816 8.052,78.816 9.83,78.816 11.608,78.816 18.72,78.816 20.498,78.816 25.832,78.816 27.61,78.816 29.388,78.816 31.166,78.816 32.944,78.816 34.722,78.816 36.5,78.816 38.278,78.816 40.056,78.816 41.834,78.816 43.612,78.816 45.39,78.816 47.168,78.816 59.614,78.816 61.392,78.816 63.17,78.816 72.06,78.816 73.838,78.816 96.952,78.816 98.73,78.816 100.508,78.816 102.286,78.816 104.064,78.816 105.842,78.816 107.62,78.816 109.398,78.816 116.51,78.816 118.288,78.816 120.066,78.816 127.178,78.816 128.956,78.816 130.734,78.816 136.068,78.816 137.846,78.816 139.624,78.816 141.402,78.816 150.292,78.816 152.07,78.816 153.848,78.816 155.626,78.816 157.404,78.816 159.182,78.816 160.96,78.816 162.738,78.816 164.516,78.816 169.85,78.816 171.628,78.816 173.406,78.816 175.184,78.816 176.962,78.816 178.74,78.816 180.518,78.816 182.296,78.816 184.074,78.816 185.852,78.816 187.63,78.816 189.408,78.816 191.186,78.816 192.964,78.816 194.742,78.816 196.52,78.816 198.298,78.816 200.076,78.816 201.854,78.816 203.632,78.816 205.41,78.816 207.188,78.816 208.966,78.816 210.744,78.816 1.829,80.594 3.607,80.594 5.385,80.594 7.163,80.594 8.941,80.594 10.719,80.594 19.609,80.594 21.387,80.594 26.721,80.594 28.499,80.594 30.277,80.594 32.055,80.594 33.833,80.594 35.611,80.594 37.389,80.594 39.167,80.594 40.945,80.594 42.723,80.594 44.501,80.594 46.279,80.594 58.725,80.594 60.503,80.594 67.615,80.594 74.727,80.594 76.505,80.594 78.283,80.594 83.617,80.594 96.063,80.594 97.841,80.594 99.619,80.594 101.397,80.594 103.175,80.594 104.953,80.594 106.731,80.594 108.509,80.594 119.177,80.594 126.289,80.594 128.067,80.594 129.845,80.594 136.957,80.594 138.735,80.594 140.513,80.594 142.291,80.594 149.403,80.594 151.181,80.594 152.959,80.594 154.737,80.594 156.515,80.594 158.293,80.594 160.071,80.594 161.849,80.594 163.627,80.594 168.961,80.594 170.739,80.594 172.517,80.594 174.295,80.594 176.073,80.594 177.851,80.594 179.629,80.594 181.407,80.594 183.185,80.594 184.963,80.594 186.741,80.594 188.519,80.594 190.297,80.594 192.075,80.594 193.853,80.594 195.631,80.594 197.409,80.594 199.187,80.594 200.965,80.594 202.743,80.594 204.521,80.594 206.299,80.594 208.077,80.594 209.855,80.594 2.718,82.372 4.496,82.372 6.274,82.372 8.052,82.372 9.83,82.372 11.608,82.372 18.72,82.372 20.498,82.372 22.276,82.372 27.61,82.372 29.388,82.372 31.166,82.372 32.944,82.372 34.722,82.372 36.5,82.372 38.278,82.372 40.056,82.372 41.834,82.372 43.612,82.372 45.39,82.372 59.614,82.372 61.392,82.372 75.616,82.372 77.394,82.372 79.172,82.372 80.95,82.372 82.728,82.372 96.952,82.372 98.73,82.372 100.508,82.372 102.286,82.372 104.064,82.372 105.842,82.372 107.62,82.372 109.398,82.372 121.844,82.372 127.178,82.372 128.956,82.372 130.734,82.372 132.512,82.372 136.068,82.372 137.846,82.372 139.624,82.372 141.402,82.372 143.18,82.372 148.514,82.372 150.292,82.372 152.07,82.372 153.848,82.372 155.626,82.372 157.404,82.372 159.182,82.372 160.96,82.372 166.294,82.372 168.072,82.372 169.85,82.372 171.628,82.372 173.406,82.372 175.184,82.372 176.962,82.372 178.74,82.372 180.518,82.372 182.296,82.372 184.074,82.372 185.852,82.372 187.63,82.372 189.408,82.372 191.186,82.372 192.964,82.372 194.742,82.372 196.52,82.372 198.298,82.372 200.076,82.372 201.854,82.372 203.632,82.372 205.41,82.372 207.188,82.372 208.966,82.372 210.744,82.372
  other v2: 111.23,47.273 111.838,48.131 179.302,60.964
  other v7: 28.092,57.404
heater_1: R14.2 R16.1 U10.22 | length 144.8
  Top Layer w0.203: v1(55.804,58.584) 55.807,58.587 55.807,58.965 55.926,59.084 U10.22@58.123,59.084
  Top Layer w0.254: v1(158.343,70.796) 158.343,68.665 160.837,66.171 171.378,66.171 173.537,64.012 173.537,57.967 174.248,57.255 175.848,57.255 176.61,58.017 177.626,58.017 178.313,58.705 R14.2@179.074,58.705 180.571,58.705 R16.1@180.623,58.652
  Bottom Layer w0.203: v1(55.804,58.584) 55.804,58.143 56.469,57.477 65.097,57.477 71.12,63.5 127.965,63.5 129.819,65.354 145.364,65.354 150.806,70.796 v1(158.343,70.796)
heater_2: R31.2 R33.1 U10.23 | length 155
  Top Layer w0.203: v1(56.595,58.584) U10.23@58.123,58.584
  Top Layer w0.254: v1(156.343,71.481) 156.343,68.125 158.779,65.688 171.124,65.688 173,63.811 173,46.566 173.487,46.079 174.832,46.079 175.848,47.095 177.118,47.095 177.577,47.554 R31.2@178.896,47.554 180.469,47.554 R33.1@180.522,47.502
  Bottom Layer w0.203: v1(56.595,58.584) 56.595,58.052 56.839,57.807 64.767,57.807 71.145,64.186 127.864,64.186 129.565,65.888 145.059,65.888 150.653,71.481 v1(156.343,71.481)
heater_3: R15.2 R17.1 U10.26 | length 164.3
  Top Layer w0.203: v1(55.829,56.617) 56.297,57.084 U10.26@58.123,57.084
  Top Layer w0.254: v1(154.293,70.093) 154.293,67.635 156.696,65.231 170.02,65.231 172.543,62.708 172.543,36.151 173.283,35.411 174.324,35.411 175.086,36.173 176.864,36.173 177.526,36.835 R15.2@178.388,36.835 180.114,36.835 R17.1@180.115,36.834
  Bottom Layer w0.203: v1(55.829,56.617) 56.36,57.147 65.51,57.147 71.431,63.068 128.702,63.068 130.454,64.821 145.87,64.821 151.142,70.093 v1(154.293,70.093)
HEATER_4: R32.2 R34.1 U10.27 | length 168.4
  Top Layer w0.203: v1(56.595,56.591) 56.602,56.584 U10.27@58.123,56.584
  Top Layer w0.254: v1(152.293,68.543) 156.061,64.774 169.83,64.774 172.086,62.518 172.086,27.362 173.181,26.267 174.324,26.267 175.086,27.029 176.61,27.029 177.373,27.793 R32.2@178.109,27.793 179.784,27.793 R34.1@179.785,27.791
  Bottom Layer w0.203: v1(56.595,56.591) 65.421,56.591 71.542,62.713 129.54,62.713 131.166,64.338 146.595,64.338 150.779,68.523 v1@152.313,68.523
inc: R60.2 U10.11 | length 83.2
  Top Layer w0.203: R60.2@8.633,27.311 8.633,26.296 9.916,25.013 17.266,25.013 v1(18.872,26.619) ; U10.11@63.123,64.084 63.123,63.014 v1(63.652,62.484)
  Bottom Layer w0.203: v1(18.872,26.619) 18.872,39.141 34.823,55.093 49.096,55.093 54.105,60.102 61.398,60.102 62.004,59.496 63.08,59.496 63.652,60.068 v1(63.652,62.484)
NetBEEP1_1: BEEP1.1 R62.1 R78.2 | length 21.9
  Top Layer w0.203: R62.1@40.335,58.598 BEEP1.1@40.335,62.382 44.348,62.382 45.593,63.627 45.593,69.571 46.457,70.434 49.759,70.434 50.293,69.899 R78.2@51.435,69.899
NetBEEP1_2: BEEP1.2 Q18.3 R78.1 | length 14.1
  Top Layer w0.203: BEEP1.2@40.335,67.462 44.577,67.462 45.263,68.148 45.263,70.002 46.945,71.684 Q18.3@48.311,71.684 48.596,71.399 R78.1@51.435,71.399
NetC1_2: C1.2 R50.2 U10.20 | length 6
  Top Layer w0.203: R50.2@53.976,58.344 53.849,58.471 C1.2@53.849,60.046 53.888,60.084 U10.20@58.123,60.084
NetC4_1: C4.1 R68.2 U5.1 | length 6.3
  Top Layer w0.254: R68.2@112.831,49.66 112.906,49.585 C4.1@115.675,49.585 115.637,49.623 U5.1@115.637,53.007
NetC5_1: C5.1 R67.2 | length 5.1
  Top Layer w0.254: R67.2@107.522,51.058 107.821,51.058 R67.2@107.852,51.089
  Top Layer w0.508: C5.1@102.798,51.058 R67.2@107.522,51.058
NetC6_2: C6.2 R71.1 U5.6 U5.7 | length 11.6
  Top Layer w0.254: U5.7@118.044,54.915 U5.6@118.044,54.415 119.412,54.415 119.619,54.207 127.464,54.207 ; C6.2@127.464,55.046 127.464,54.207 ; R71.1@127.488,53.445 127.464,53.469 127.464,54.207
NetC7_1: C7.1 D14.1 D14.2 U5.12 | length 12.8
  Top Layer w0.254: D14.2@108.039,53.985 D14.1@108.039,55.985 108.039,57.01 109.198,58.17 C7.1@115.447,58.17 115.447,57.459 115.616,57.29 U5.12@115.616,56.322
NetC9_1: C9.1 R73.2 R76.1 U5.8 | length 8.5
  Top Layer w0.254: U5.8@118.044,55.415 118.698,55.415 118.952,55.415 ; R73.2@122.938,59.821 122.938,58.061 R76.1@122.94,58.059
  Top Layer w0.381: 118.952,55.415 119.905,55.415 121.238,56.747 C9.1@121.238,58.068 122.931,58.068 R76.1@122.938,58.061
NetC11_1: C11.1 L2.1 U2.1 U2.3 U4.5 U4.6 U4.7 U4.8 U5.14 | length 31.2
  Top Layer w0.254: v1(111.332,55.935) 111.764,55.503 C11.1@112.424,55.503 112.627,55.3 113.86,55.3 114.218,54.942 114.218,54.915 U5.14@114.729,54.915
  Bottom Layer w0.254: v1(111.332,55.935) 112.551,55.935 113.237,56.62 127.842,56.62 128.909,55.554 v1(128.909,46.46)
NetC11_2: C11.2 D14.3 U5.16 | length 4.6
  Top Layer w0.254: D14.3@110.539,54.985 111.062,54.985 112.045,54.003 C11.2@112.424,54.003 112.512,53.915 U5.16@114.729,53.915
NetC12_2: C12.2 L2.2 R70.1 U5.10 | length 50.2
  Top Layer w0.254: U5.10@116.637,56.322 v1(116.637,57.226) 117.123,57.713 C12.2@117.123,58.118 ; v1(131.877,28.553) v1(131.877,57.226)
  Bottom Layer w0.254: v1(116.637,57.226) v1(131.877,57.226) ; v1(131.877,28.553) 134.7,28.553 135.208,28.045 135.208,27.537 ; R70.1@139.2,25.535 R70.1@139.399,25.734
NetC13_2: C13.2 U10.31 | length 3.9
  Top Layer w0.203: C13.2@54.18,54.585 U10.31@58.123,54.584